# Altium PCB proj_arhipov_control_doard.PcbDoc (part 2 of 2)
Units mm, origin at the board's own origin, x right, y up, seen from the top; angles counter-clockwise.
Board outline 74.9 x 74.9 mm, 4 copper layers (Top Layer, Signal Layer 1, Signal Layer 2, Bottom Layer), stack 1.522 mm thick; 98 components, 69 nets, 372 pads, 821 vias.
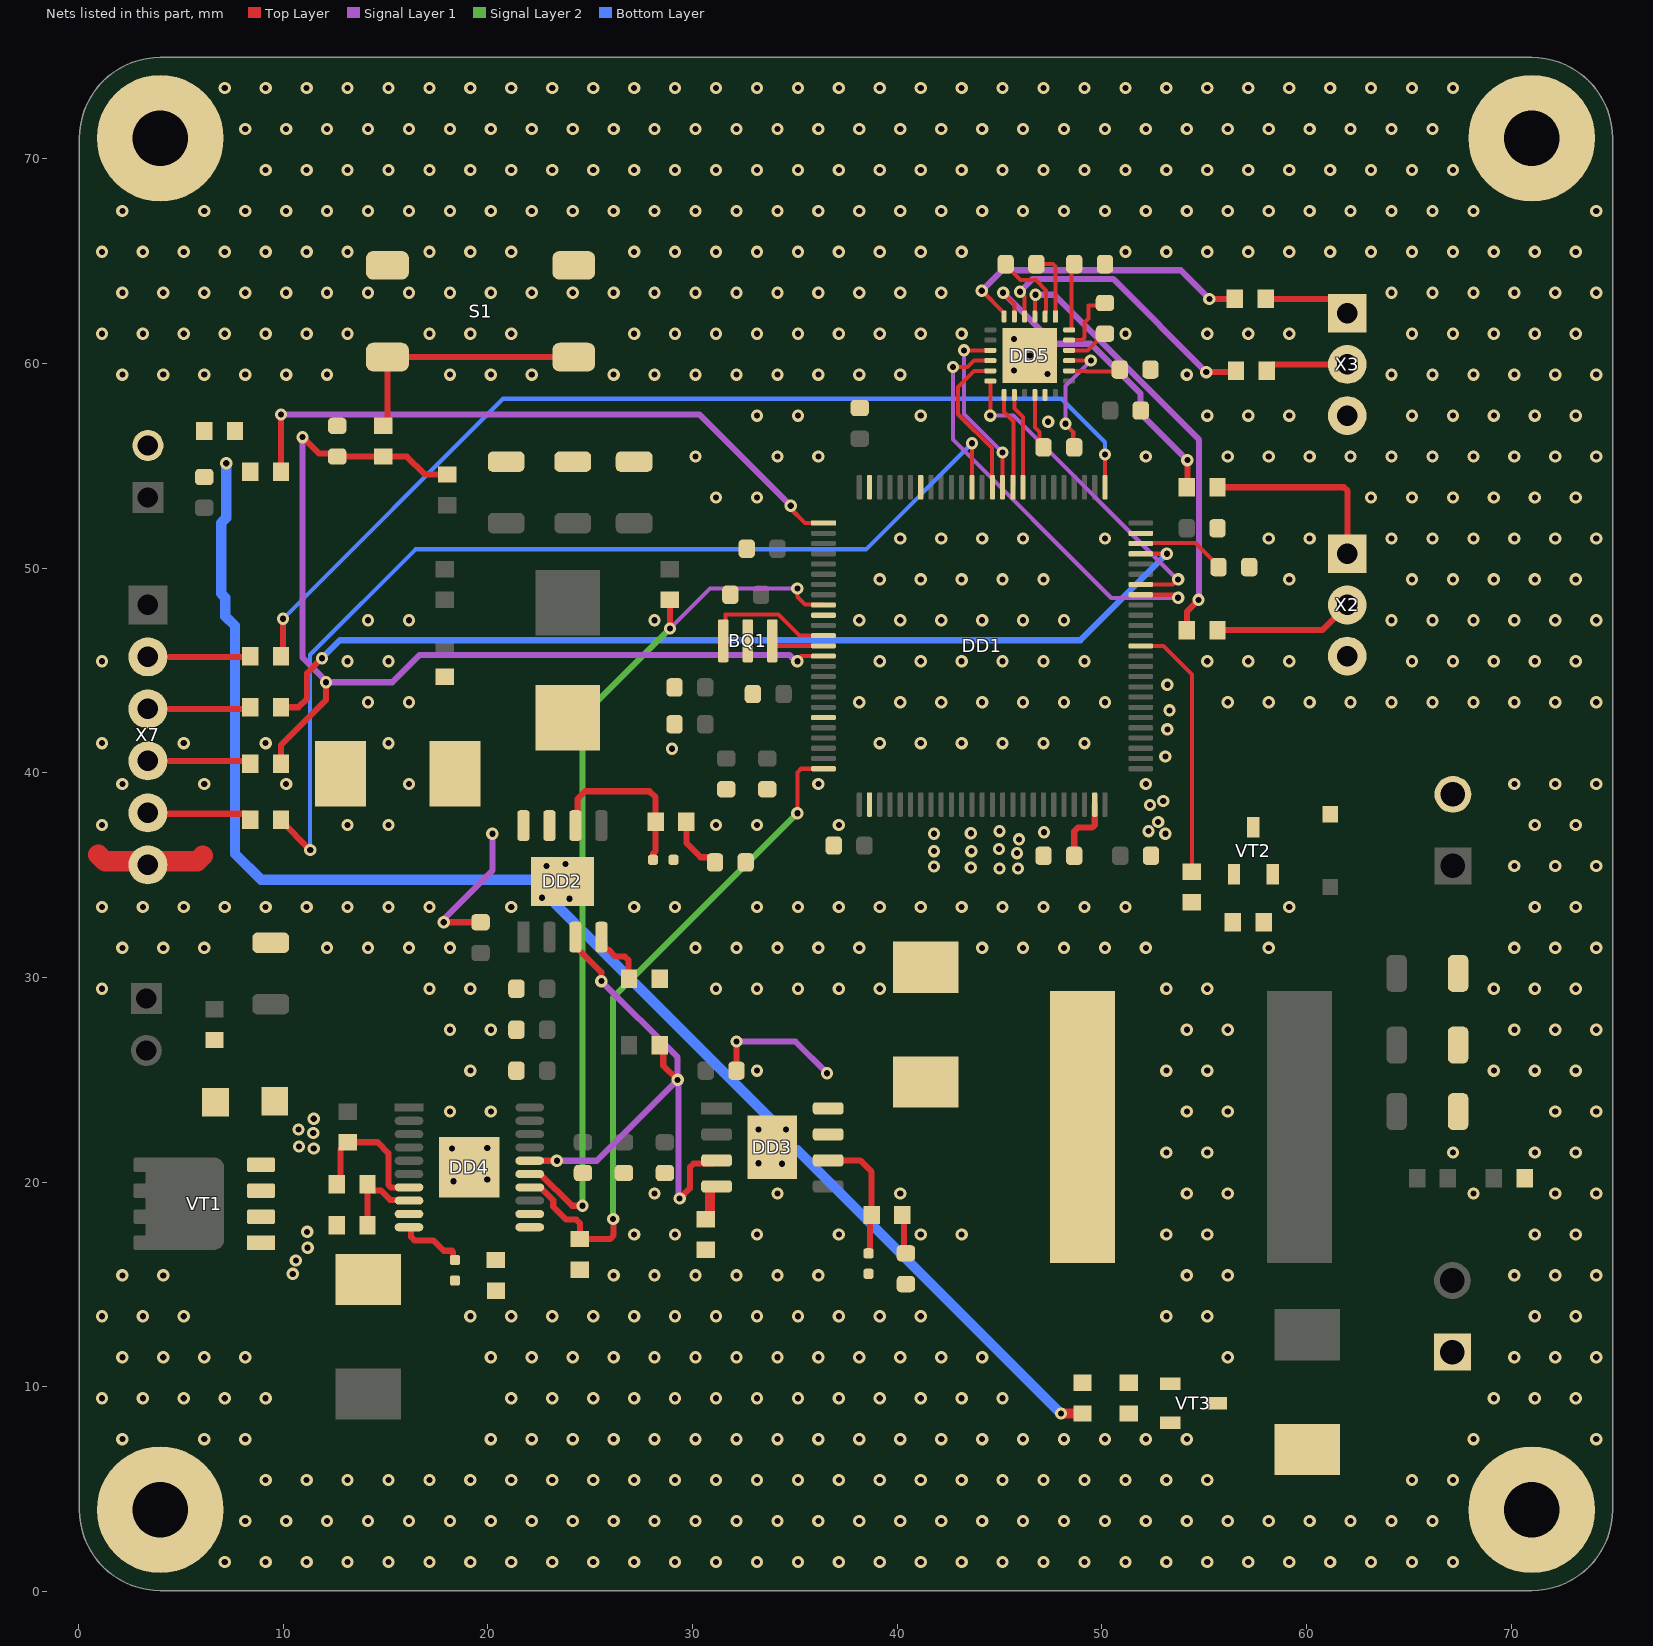
[diagram p4: the nets of this part, all layers, seen from the top]

## Via types
v1: diameter 0.6, hole 0.3, Top Layer to Bottom Layer, tented both sides, 821 vias

## Nets (pads, with @x,y where several pads share a name; then routed paths per layer and width w, separated by ;. In a path a pad name is that pad's centre, name@x,y a point inside that pad or via, vN(x,y) a via of type N, cw(c..) or ccw(c..) an arc to the next point about the centre after c; other vN are vias at no path point) (continued)
GND: BQ1.2 C1.2 C2.2 C3.2 C4.2 C5.2 C6.2 C7.2 C8.2 C9.2 C10.2 C12.2 C13.2 C14.2 C15.2 C16.2 C17.2 C18.2 C19.2 C20.2 C21.2 C22.2 C23.2 C24.2 C25.2 C26.2 C29.2 C30.2 C31.2 C33.2 C34.2 C35.2 C36.2 C41.1 C42.1 C43.1 DD1.10 DD1.20 DD1.27 DD1.74 DD1.94 DD1.99 DD2.0 DD2.7 DD3.0 DD3.7 DD4.0 DD4.9 DD4.12 DD5.0 DD5.17 pad.1 pad.2 pad.3 pad.4 R6.1 R7.1 R12.1 R13.1 R15.1 R17.1 R25.1 R26.1 R31.1 R32.1 S1.2 VD3.2 VD4.2 VT1.1 VT1.2 VT1.3 VT2.2 VT3.2 X2.3 X3.3 X7.6 | length 5.5
  Top Layer w1: 0.975,36 1.303,35.672 3.228,35.672 X7.6@3.4,35.5 3.572,35.672 5.797,35.672 6.075,35.95
  other v1: 7.15,1.45 9.15,1.45 11.15,1.45 13.15,1.45 15.15,1.45 17.15,1.45 19.15,1.45 21.15,1.45 23.15,1.45 25.15,1.45 27.15,1.45 29.15,1.45 31.15,1.45 33.15,1.45 35.15,1.45 37.15,1.45 39.15,1.45 41.15,1.45 43.15,1.45 45.15,1.45 47.15,1.45 49.15,1.45 51.15,1.45 53.15,1.45 55.15,1.45 57.15,1.45 59.15,1.45 61.15,1.45 63.15,1.45 65.15,1.45 67.15,1.45 8.15,3.45 10.15,3.45 12.15,3.45 14.15,3.45 16.15,3.45 18.15,3.45 20.15,3.45 22.15,3.45 24.15,3.45 26.15,3.45 28.15,3.45 30.15,3.45 32.15,3.45 34.15,3.45 36.15,3.45 38.15,3.45 40.15,3.45 42.15,3.45 44.15,3.45 46.15,3.45 48.15,3.45 50.15,3.45 52.15,3.45 54.15,3.45 56.15,3.45 58.15,3.45 60.15,3.45 62.15,3.45 64.15,3.45 66.15,3.45 9.15,5.45 11.15,5.45 13.15,5.45 15.15,5.45 17.15,5.45 19.15,5.45 21.15,5.45 23.15,5.45 25.15,5.45 27.15,5.45 29.15,5.45 31.15,5.45 33.15,5.45 35.15,5.45 37.15,5.45 39.15,5.45 41.15,5.45 43.15,5.45 45.15,5.45 47.15,5.45 49.15,5.45 51.15,5.45 53.15,5.45 55.15,5.45 65.15,5.45 67.15,5.45 2.15,7.45 6.15,7.45 8.15,7.45 20.15,7.45 22.15,7.45 24.15,7.45 26.15,7.45 28.15,7.45 30.15,7.45 32.15,7.45 34.15,7.45 36.15,7.45 38.15,7.45 40.15,7.45 42.15,7.45 44.15,7.45 46.15,7.45 48.15,7.45 50.15,7.45 52.15,7.45 54.15,7.45 68.15,7.45 74.15,7.45 1.15,9.45 3.15,9.45 5.15,9.45 7.15,9.45 9.15,9.45 21.15,9.45 23.15,9.45 25.15,9.45 27.15,9.45 29.15,9.45 31.15,9.45 33.15,9.45 35.15,9.45 37.15,9.45 39.15,9.45 41.15,9.45 43.15,9.45 45.15,9.45 69.15,9.45 71.15,9.45 73.15,9.45 2.15,11.45 4.15,11.45 6.15,11.45 8.15,11.45 20.15,11.45 22.15,11.45 24.15,11.45 26.15,11.45 28.15,11.45 30.15,11.45 32.15,11.45 34.15,11.45 36.15,11.45 38.15,11.45 40.15,11.45 42.15,11.45 44.15,11.45 56.15,11.45 70.15,11.45 72.15,11.45 74.15,11.45 1.15,13.45 3.15,13.45 5.15,13.45 19.15,13.45 21.15,13.45 23.15,13.45 25.15,13.45 27.15,13.45 29.15,13.45 31.15,13.45 33.15,13.45 35.15,13.45 37.15,13.45 39.15,13.45 41.15,13.45 53.15,13.45 55.15,13.45 71.15,13.45 73.15,13.45 2.15,15.45 4.15,15.45 26.15,15.45 28.15,15.45 30.15,15.45 32.15,15.45 34.15,15.45 36.15,15.45 54.15,15.45 56.15,15.45 70.15,15.45 72.15,15.45 74.15,15.45 27.15,17.45 29.15,17.45 33.15,17.45 37.15,17.45 41.15,17.45 43.15,17.45 53.15,17.45 55.15,17.45 71.15,17.45 73.15,17.45 28.15,19.45 34.15,19.45 40.15,19.45 54.15,19.45 56.15,19.45 68.15,19.45 72.15,19.45 74.15,19.45 18.325,20.05 19.975,20.125 34.375,20.9 33.225,20.925 53.15,21.45 55.15,21.45 67.15,21.45 71.15,21.45 73.15,21.45 18.25,21.65 19.975,21.675 33.225,22.575 34.577,22.576 18.15,23.45 20.15,23.45 54.15,23.45 56.15,23.45 72.15,23.45 74.15,23.45 19.15,25.45 33.15,25.45 53.15,25.45 55.15,25.45 69.15,25.45 71.15,25.45 73.15,25.45 18.15,27.45 20.15,27.45 54.15,27.45 56.15,27.45 70.15,27.45 72.15,27.45 74.15,27.45 1.15,29.45 17.15,29.45 19.15,29.45 31.15,29.45 33.15,29.45 35.15,29.45 37.15,29.45 39.15,29.45 53.15,29.45 55.15,29.45 69.15,29.45 71.15,29.45 73.15,29.45 2.15,31.45 4.15,31.45 6.15,31.45 12.15,31.45 14.15,31.45 16.15,31.45 18.15,31.45 30.15,31.45 32.15,31.45 34.15,31.45 36.15,31.45 38.15,31.45 44.15,31.45 46.15,31.45 48.15,31.45 50.15,31.45 52.15,31.45 58.15,31.45 70.15,31.45 72.15,31.45 74.15,31.45 1.15,33.45 3.15,33.45 5.15,33.45 7.15,33.45 9.15,33.45 11.15,33.45 13.15,33.45 15.15,33.45 17.15,33.45 21.15,33.45 27.15,33.45 29.15,33.45 33.15,33.45 35.15,33.45 37.15,33.45 39.15,33.45 41.15,33.45 43.15,33.45 45.15,33.45 47.15,33.45 49.15,33.45 51.15,33.45 59.15,33.45 71.15,33.45 73.15,33.45 24.001,33.852 22.65,33.9 45,35.325 45.9,35.325 43.6,35.375 41.8,35.425 22.875,35.45 70.15,35.45 72.15,35.45 74.15,35.45 23.8,35.55 45.85,36.075 41.8,36.175 43.625,36.175 44.975,36.275 45.95,36.75 41.8,37.025 53.1,37.025 43.6,37.05 47.175,37.1 45,37.15 52.275,37.15 1.15,37.45 13.15,37.45 15.15,37.45 31.15,37.45 33.15,37.45 37.15,37.45 71.15,37.45 73.15,37.45 52.75,37.6 52.35,38.425 53,38.625 2.15,39.45 6.15,39.45 10.15,39.45 16.15,39.45 36.15,39.45 52.15,39.45 70.15,39.45 72.15,39.45 74.15,39.45 53.1,40.8 29,41.175 1.15,41.45 5.15,41.45 9.15,41.45 15.15,41.45 39.15,41.45 41.15,41.45 43.15,41.45 45.15,41.45 47.15,41.45 49.15,41.45 53.2,42.125 53.3,43.05 14.15,43.45 16.15,43.45 38.15,43.45 40.15,43.45 42.15,43.45 44.15,43.45 46.15,43.45 48.15,43.45 50.15,43.45 56.15,43.45 58.15,43.45 60.15,43.45 62.15,43.45 64.15,43.45 66.15,43.45 68.15,43.45 70.15,43.45 72.15,43.45 74.15,43.45 53.2,44.3 1.15,45.45 13.15,45.45 15.15,45.45 39.15,45.45 41.15,45.45 43.15,45.45 45.15,45.45 47.15,45.45 49.15,45.45 55.15,45.45 57.15,45.45 59.15,45.45 65.15,45.45 67.15,45.45 69.15,45.45 71.15,45.45 73.15,45.45 14.15,47.45 16.15,47.45 28.15,47.45 38.15,47.45 40.15,47.45 42.15,47.45 44.15,47.45 46.15,47.45 48.15,47.45 64.15,47.45 66.15,47.45 68.15,47.45 70.15,47.45 72.15,47.45 74.15,47.45 39.15,49.45 41.15,49.45 43.15,49.45 45.15,49.45 47.15,49.45 59.15,49.45 65.15,49.45 67.15,49.45 69.15,49.45 71.15,49.45 73.15,49.45 40.15,51.45 42.15,51.45 44.15,51.45 46.15,51.45 50.15,51.45 58.15,51.45 60.15,51.45 64.15,51.45 66.15,51.45 68.15,51.45 70.15,51.45 72.15,51.45 74.15,51.45 31.15,53.45 33.15,53.45 63.15,53.45 65.15,53.45 67.15,53.45 69.15,53.45 71.15,53.45 73.15,53.45 30.15,55.45 34.15,55.45 36.15,55.45 52.15,55.45 56.15,55.45 58.15,55.45 60.15,55.45 62.15,55.45 64.15,55.45 66.15,55.45 68.15,55.45 70.15,55.45 72.15,55.45 74.15,55.45 47.375,57.15 33.15,57.45 35.15,57.45 41.15,57.45 55.15,57.45 57.15,57.45 59.15,57.45 65.15,57.45 67.15,57.45 69.15,57.45 71.15,57.45 73.15,57.45 2.15,59.45 4.15,59.45 6.15,59.45 8.15,59.45 10.15,59.45 12.15,59.45 18.15,59.45 20.15,59.45 22.15,59.45 26.15,59.45 28.15,59.45 30.15,59.45 32.15,59.45 34.15,59.45 36.15,59.45 38.15,59.45 40.15,59.45 54.15,59.45 64.15,59.45 66.15,59.45 68.15,59.45 70.15,59.45 72.15,59.45 74.15,59.45 47.35,59.475 45.7,59.65 46.475,60.388 45.7,61.2 1.15,61.45 3.15,61.45 5.15,61.45 7.15,61.45 9.15,61.45 11.15,61.45 13.15,61.45 17.15,61.45 19.15,61.45 21.15,61.45 27.15,61.45 29.15,61.45 31.15,61.45 33.15,61.45 35.15,61.45 37.15,61.45 39.15,61.45 41.15,61.45 43.15,61.45 51.15,61.45 55.15,61.45 57.15,61.45 59.15,61.45 65.15,61.45 67.15,61.45 69.15,61.45 71.15,61.45 73.15,61.45 2.15,63.45 4.15,63.45 6.15,63.45 8.15,63.45 10.15,63.45 12.15,63.45 14.15,63.45 16.15,63.45 18.15,63.45 20.15,63.45 22.15,63.45 24.15,63.45 26.15,63.45 28.15,63.45 30.15,63.45 32.15,63.45 34.15,63.45 36.15,63.45 38.15,63.45 40.15,63.45 42.15,63.45 64.15,63.45 66.15,63.45 68.15,63.45 70.15,63.45 72.15,63.45 74.15,63.45 1.15,65.45 3.15,65.45 5.15,65.45 7.15,65.45 9.15,65.45 11.15,65.45 13.15,65.45 17.15,65.45 19.15,65.45 21.15,65.45 27.15,65.45 29.15,65.45 31.15,65.45 33.15,65.45 35.15,65.45 37.15,65.45 39.15,65.45 41.15,65.45 43.15,65.45 51.15,65.45 53.15,65.45 55.15,65.45 57.15,65.45 59.15,65.45 61.15,65.45 63.15,65.45 65.15,65.45 67.15,65.45 69.15,65.45 71.15,65.45 73.15,65.45 2.15,67.45 6.15,67.45 8.15,67.45 10.15,67.45 12.15,67.45 14.15,67.45 16.15,67.45 18.15,67.45 20.15,67.45 22.15,67.45 24.15,67.45 26.15,67.45 28.15,67.45 30.15,67.45 32.15,67.45 34.15,67.45 36.15,67.45 38.15,67.45 40.15,67.45 42.15,67.45 44.15,67.45 46.15,67.45 48.15,67.45 50.15,67.45 52.15,67.45 54.15,67.45 56.15,67.45 58.15,67.45 60.15,67.45 62.15,67.45 64.15,67.45 66.15,67.45 68.15,67.45 74.15,67.45 9.15,69.45 11.15,69.45 13.15,69.45 15.15,69.45 17.15,69.45 19.15,69.45 21.15,69.45 23.15,69.45 25.15,69.45 27.15,69.45 29.15,69.45 31.15,69.45 33.15,69.45 35.15,69.45 37.15,69.45 39.15,69.45 41.15,69.45 43.15,69.45 45.15,69.45 47.15,69.45 49.15,69.45 51.15,69.45 53.15,69.45 55.15,69.45 57.15,69.45 59.15,69.45 61.15,69.45 63.15,69.45 65.15,69.45 67.15,69.45 8.15,71.45 10.15,71.45 12.15,71.45 14.15,71.45 16.15,71.45 18.15,71.45 20.15,71.45 22.15,71.45 24.15,71.45 26.15,71.45 28.15,71.45 30.15,71.45 32.15,71.45 34.15,71.45 36.15,71.45 38.15,71.45 40.15,71.45 42.15,71.45 44.15,71.45 46.15,71.45 48.15,71.45 50.15,71.45 52.15,71.45 54.15,71.45 56.15,71.45 58.15,71.45 60.15,71.45 62.15,71.45 64.15,71.45 66.15,71.45 7.15,73.45 9.15,73.45 11.15,73.45 13.15,73.45 15.15,73.45 17.15,73.45 19.15,73.45 21.15,73.45 23.15,73.45 25.15,73.45 27.15,73.45 29.15,73.45 31.15,73.45 33.15,73.45 35.15,73.45 37.15,73.45 39.15,73.45 41.15,73.45 43.15,73.45 45.15,73.45 47.15,73.45 49.15,73.45 51.15,73.45 53.15,73.45 55.15,73.45 57.15,73.45 59.15,73.45 61.15,73.45 63.15,73.45 65.15,73.45 67.15,73.45
MCU_F\O\R\C\E\O\F\F\: DD1.84 DD5.14 | length 4.7
  Top Layer w0.2: DD5.14@45.725,58.463 45.725,57.8 46.15,57.375 DD1.84@46.15,53.95
MCU_FLT_EFUSE: DD1.9 DD4.15 R30.1 | length 43.5
  Top Layer w0.2: v1(35.125,49) 35.125,48.6 35.5,48.225 36.375,48.225 DD1.9@36.4,48.2
  Top Layer w0.3: DD4.15@22.05,20.4 22.572,20.4 24.122,18.85 v1(24.625,18.85) ; v1(28.9,47.05) R30.1@28.9,48.45
  Signal Layer 1 w0.2: v1(28.9,47.05) 30.85,49 v1(35.125,49)
  Signal Layer 2 w0.3: v1(24.625,18.85) 24.625,42.775 v1(28.9,47.05)
MCU_I\N\V\A\L\I\D\: DD1.85 DD5.13 | length 4.7
  Top Layer w0.2: DD5.13@45.225,58.463 45.225,57.625 45.675,57.175 45.675,53.975 DD1.85@45.65,53.95
MCU_IMON_EFUSE: DD1.25 DD4.14 R31.2 | length 33.6
  Top Layer w0.2: v1(35.125,38.025) 35.125,40.024 35.301,40.2 DD1.25@36.4,40.2
  Top Layer w0.3: DD4.14@22.05,19.75 22.572,19.75 23.2,19.122 23.2,18.8 23.825,18.175 24.324,18.175 24.5,17.999 R31.2@24.5,17.225 25.974,17.225 26.15,17.401 26.15,18.175 v1(26.125,18.2)
  Signal Layer 2 w0.3: v1(26.125,18.2) 26.125,29.025 v1(35.125,38.025)
MCU_LOCK: DD1.63 R23.1 | length 12.7
  Top Layer w0.2: DD1.63@51.9,46.2 53,46.2 54.4,44.8 R23.1@54.4,35.175
MCU_RX_IN_1: DD1.69 DD5.12 | length 16.1
  Top Layer w0.2: v1(44.55,57.45) DD5.12@44.55,59.138 ; DD1.69@51.9,49.2 53.475,49.2 v1(53.725,49.45)
  Signal Layer 1 w0.2: v1(44.55,57.45) 45.683,57.45 53.683,49.45 v1(53.725,49.45)
MCU_RX_IN_2: DD1.87 DD5.11 | length 7.5
  Top Layer w0.2: DD5.11@44.55,59.638 43.763,59.638 42.975,58.85 42.975,57.517 44.625,55.867 44.625,53.975 DD1.87@44.65,53.95
MCU_SENSOR: DD1.1 R22.1 | length 31.6
  Top Layer w0.2: v1(34.8,53.05) 34.8,52.9 35.5,52.2 DD1.1@36.4,52.2
  Top Layer w0.3: R22.1@9.9,54.7 v1(9.9,57.5)
  Signal Layer 1 w0.3: v1(9.9,57.5) 30.35,57.5 v1(34.8,53.05)
MCU_SWCLK: DD1.76 R4.1 | length 49.6
  Top Layer w0.2: DD1.76@50.15,53.95 v1(50.15,55.55) v1@50.175,55.575
  Top Layer w0.3: R4.1@9.9,45.7 10,45.8 v1(10,47.525)
  Bottom Layer w0.2: v1(10,47.525) 20.75,58.275 48.025,58.275 50.15,56.15 v1(50.15,55.55)
MCU_SWDIO: DD1.72 R5.1 | length 48.4
  Top Layer w0.2: DD1.72@51.9,50.7 v1(53.175,50.7)
  Top Layer w0.3: R5.1@9.9,43.2 10.75,43.2 11.175,43.625 11.175,44.875 v1(11.9,45.6)
  Bottom Layer w0.3: v1(11.9,45.6) 12.775,46.475 48.95,46.475 v1(53.175,50.7) v1@53.175,50.725
MCU_SWO: DD1.89 R28.1 | length 50.4
  Top Layer w0.2: DD1.89@43.65,53.95 v1(43.65,56.1)
  Top Layer w0.3: R28.1@9.9,37.7 9.9,37.65 v1(11.325,36.225)
  Bottom Layer w0.2: v1(11.325,36.225) 11.325,45.767 16.478,50.92 38.47,50.92 v1(43.65,56.1)
MCU_TX_IN_1: DD1.68 DD5.10 | length 21.6
  Top Layer w0.2: v1(42.725,59.825) 43.434,59.825 43.746,60.138 DD5.10@44.55,60.138 ; DD1.68@51.9,48.7 53.575,48.7 v1(53.725,48.55)
  Signal Layer 1 w0.2: v1(42.725,59.825) 42.725,56.283 50.458,48.55 v1(53.725,48.55)
MCU_TX_IN_2: DD1.86 DD5.9 | length 8.8
  Top Layer w0.2: v1(43.262,60.638) DD5.9@44.55,60.638 ; DD1.86@45.15,53.95 v1(45.15,55.65)
  Signal Layer 1 w0.2: v1(43.262,60.638) 43.262,57.538 v1(45.15,55.65)
NetBQ1_1: BQ1.1 DD1.12 | length 6.5
  Top Layer w0.2: BQ1.1@31.5,46.45 31.617,46.567 31.617,47.725 34.207,47.725 35.232,46.7 DD1.12@36.4,46.7
NetBQ1_3: BQ1.3 DD1.13 | length 2.7
  Top Layer w0.2: BQ1.3@33.9,46.45 33.9,46.35 34.05,46.2 DD1.13@36.4,46.2
NetC13_1: C13.1 DD1.73 | length 4.3
  Top Layer w0.2: DD1.73@51.9,51.2 51.925,51.225 54.575,51.225 55.7,50.1 C13.1@55.7,50.05
NetC14_1: C14.1 DD1.49 | length 3.3
  Top Layer w0.3: C14.1@48.65,35.95 48.65,37.149 48.826,37.325 49.524,37.325 49.65,37.451 DD1.49@49.65,38.45
NetC22_1: C22.1 DD2.6 R8.2 | length 8.5
  Top Layer w0.3: DD2.6@24.285,37.425 24.385,37.525 24.385,38.725 24.76,39.1 27.9,39.1 28.2,38.8 R8.2@28.2,37.6 28.2,36.175 28.075,36.05 C22.1@28.075,35.75
NetC23_1: C23.1 DD3.6 R9.2 | length 6.4
  Top Layer w0.3: DD3.6@36.625,21.065 38.185,21.065 38.75,20.5 R9.2@38.75,18.4 38.675,18.325 38.675,16.6 C23.1@38.6,16.525
NetC25_1: C25.1 R8.1 | length 2.8
  Top Layer w0.3: R8.1@29.7,37.6 29.7,36.575 30.4,35.875 30.854,35.875 31.1,35.629 C25.1@31.1,35.625
NetC26_1: C26.1 R9.1 | length 1.9
  Top Layer w0.3: R9.1@40.25,18.4 40.337,18.313 40.337,16.612 C26.1@40.425,16.525
NetC29_1: C29.1 DD4.10 | length 3.3
  Top Layer w0.3: DD4.10@16.15,17.8 16.204,17.8 16.25,17.754 16.25,17.326 16.426,17.15 17.35,17.15 17.85,16.65 18.25,16.65 18.3,16.6 18.3,16.3 C29.1@18.4,16.2
NetC32_1: C32.1 R22.2 R24.1 R32.2 X6.2 | length 73
  Top Layer w0.5: v1(48,8.7) R24.1@49.055,8.7
  Bottom Layer w0.5: v1(7.225,55.125) 7.225,52.459 6.975,52.209 6.975,48.755 7.175,48.555 7.175,47.655 7.65,47.18 7.65,36.05 8.925,34.775 22.73,34.775 23.326,34.178 23.326,33.572 33.9,22.998 33.9,22.298 34.623,21.575 35.125,21.575 v1(48,8.7)
NetC38_1: C38.1 DD5.2 | length 3.8
  Top Layer w0.2: C38.1@45.3,64.85 45.3,64.8 46.034,64.066 46.782,64.066 47.277,63.57 47.277,62.51 47.225,62.458 DD5.2@47.225,62.288
NetC38_2: C38.2 DD5.1 | length 3.4
  Top Layer w0.2: C38.2@46.8,64.85 47.608,64.85 47.725,64.733 DD5.1@47.725,62.288
NetC39_1: C39.1 DD5.23 | length 3.3
  Top Layer w0.2: DD5.23@48.4,61.138 49.033,61.138 49.15,61.255 49.15,62 49.35,62.2 49.35,62.833 49.983,62.833 C39.1@50.1,62.95
NetC39_2: C39.2 DD5.22 | length 2.1
  Top Layer w0.2: DD5.22@48.4,60.638 49.288,60.638 50.1,61.45 C39.2@50.15,61.45
NetC40_1: C40.1 DD5.21 | length 6
  Top Layer w0.2: v1@48.2,57.05 48.6,56.65 48.6,55.95 C40.1@48.65,55.9 ; DD5.21@48.4,60.138 v1(49.463,60.138)
  Signal Layer 1 w0.2: v1(48.225,57.05) 48.225,58.9 v1(49.463,60.138)
NetC40_2: C40.2 DD5.16 | length 2.7
  Top Layer w0.2: DD5.16@46.725,58.463 46.725,56.875 46.95,56.65 46.95,56.1 C40.2@47.15,55.9
NetC41_2: C41.2 DD5.24 | length 3.4
  Top Layer w0.2: DD5.24@48.4,61.638 48.505,61.638 48.525,61.658 48.525,64.725 C41.2@48.65,64.85
NetC42_2: C42.2 DD5.20 | length 2.5
  Top Layer w0.2: DD5.20@48.4,59.638 49.22,59.638 49.245,59.613 50.788,59.613 C42.2@50.875,59.7
NetDD2_4: DD2.4 R6.2 | length 3.2
  Top Layer w0.3: DD2.4@25.555,31.975 25.555,31.575 DD2.4@25.705,31.425 ; DD2.4@25.705,31.7 25.705,31.55 DD2.4@25.705,31.425 ; R6.2@26.9,29.95 26.876,29.974 26.876,30.849 26.7,31.025 26.23,31.025 25.88,31.375 25.705,31.375 DD2.4@25.705,31.425
NetDD3_4: DD3.4 R7.2 | length 2
  Top Layer w0.5: R7.2@30.65,18.2 30.7,18.2 30.85,18.35 30.85,19.745 30.9,19.795 DD3.4@31.175,19.795
NetDD4_7: DD4.7 R10.1 R11.2 | length 7.1
  Top Layer w0.3: R11.2@12.625,19.9 12.8,20.075 12.8,21.6 R10.1@13.15,21.95 14.625,21.95 15.15,21.425 15.15,19.867 15.267,19.75 DD4.7@16.15,19.75
NetDD4_8: DD4.8 R11.1 R12.2 | length 4.4
  Top Layer w0.3: R12.2@14.125,17.9 R11.1@14.125,19.85 ; R11.1@14.125,19.95 R11.1@14.125,19.9 R11.1@14.125,19.85 ; DD4.8@16.15,19.1 16.112,19.138 15.237,19.138 14.775,19.6 14.375,19.6 R11.1@14.125,19.85
NetDD4_11: DD4.11 R13.2
NetR1_1: R1.1 VD1.1 VT1.4
NetR3_2: R3.2 S1.1 | length 12.5
  Top Layer w0.3: R3.2@14.9,56.95 15.1,57.15 S1.1@15.1,60.31 S1.1@24.2,60.31
NetR4_2: R4.2 X7.2 | length 5
  Top Layer w0.3: X7.2@3.4,45.66 8.36,45.66 R4.2@8.4,45.7
NetR5_2: R5.2 X7.3 | length 5
  Top Layer w0.3: X7.3@3.4,43.12 8.32,43.12 R5.2@8.4,43.2
NetR18_2: R18.2 X2.1 | length 9.5
  Top Layer w0.3: R18.2@55.65,53.95 61.824,53.95 62,53.774 62,50.713 X2.1@61.986,50.7
NetR19_2: R19.2 X2.2 | length 6.8
  Top Layer w0.3: R19.2@55.65,46.975 60.762,46.975 X2.2@61.986,48.2
NetR20_2: R20.2 X3.1 | length 4.3
  Top Layer w0.3: R20.2@58,63.15 61.286,63.15 X3.1@61.986,62.45
NetR21_2: R21.2 X3.2 | length 4.1
  Top Layer w0.3: R21.2@58.05,59.65 58.05,59.7 58.3,59.95 X3.2@61.986,59.95
NetR23_2: R23.2 R25.2 VT2.1
NetR24_2: R24.2 R26.2 VT3.1
NetR27_2: R27.2 X7.4 | length 5.1
  Top Layer w0.3: X7.4@3.4,40.58 8.27,40.58 R27.2@8.4,40.45
NetR28_2: R28.2 X7.5 | length 5.2
  Top Layer w0.3: X7.5@3.4,38.04 3.44,38 8.15,38 8.4,37.75 R28.2@8.4,37.7
NetVD1_2: VD1.2 VD2.2
  other v1: 10.475,15.525 10.625,16.175 11.2,16.8 11.175,17.575 11.5,21.65 10.775,21.75 11.475,22.4 10.75,22.575 11.5,23.1
NetVD10_2: VD10.2 VT2.3 X4.2
NetVD11_2: VD11.2 VT3.3 X5.1
NRST: C15.1 DD1.14 R2.1 R3.1 R27.1 | length 50.3
  Top Layer w0.2: v1(35.125,45.45) 35.3,45.625 35.3,45.7 DD1.14@36.4,45.7
  Top Layer w0.3: R27.1@9.9,40.45 9.9,41.363 12.1,43.563 v1(12.101,44.427) ; v1(10.95,56.4) 11.75,55.6 12.5,55.6 C15.1@12.65,55.45 R3.1@14.9,55.45 16.05,55.45 16.925,54.575 R2.1@18.025,54.575
  Signal Layer 1 w0.3: v1(10.95,56.4) 10.95,45.625 12.101,44.474 v1(12.101,44.427) 15.336,44.427 16.659,45.75 34.744,45.75 35.044,45.45 v1(35.125,45.45)
PGOOD: DD2.3 DD3.3 DD4.16 R29.1 | length 28.9
  Top Layer w0.3: DD4.16@22.05,21.05 v1(23.375,21.05) ; DD2.3@24.285,31.975 24.285,31.525 25.55,30.26 v1@25.55,29.875 ; R29.1@28.4,26.7 28.575,26.525 28.575,25.7 v1(29.275,25) ; v1(29.375,19.2) 29.875,19.7 29.875,20.739 30.051,20.915 31.025,20.915 DD3.3@31.175,21.065
  Signal Layer 1 w0.3: v1(23.375,21.05) 25.325,21.05 v1(29.275,25) ; v1(25.55,29.825) 29.275,26.1 v1(29.275,25) ; v1(29.375,19.2) 29.325,19.25 29.325,24.95 v1(29.275,25)
RX_OUT_1: DD5.3 R19.1 | length 21.5
  Top Layer w0.2: DD5.3@46.725,62.288 46.739,62.302 46.739,63.339 v1(46.752,63.353)
  Top Layer w0.3: R19.1@54.15,46.975 54.15,47.875 v1(54.725,48.45)
  Signal Layer 1 w0.3: v1(46.752,63.353) 47.662,63.353 54.75,56.265 54.75,48.475 v1(54.725,48.45)
RX_OUT_2: DD5.4 R21.1 | length 14
  Top Layer w0.2: v1(46,63.5) 46.225,63.275 DD5.4@46.225,62.288
  Top Layer w0.3: v1(55.1,59.575) 56.475,59.575 R21.1@56.55,59.65
  Signal Layer 1 w0.3: v1(46,63.5) 46.625,64.125 50.55,64.125 v1(55.1,59.575)
SW_2: C27.1 DD2.8 L1.1 VD3.1 | length 7
  Top Layer w0.3: v1(17.85,32.7) C27.1@19.65,32.7
  Signal Layer 1 w0.3: v1@17.825,32.825 17.894,32.825 17.907,32.839 17.907,32.907 20.225,35.225 v1(20.225,37.025)
SW_3: C28.1 DD3.8 L2.1 VD4.1 | length 6.5
  Top Layer w0.3: C28.1@32.15,25.45 v1(32.15,26.875)
  Signal Layer 1 w0.3: v1(32.15,26.875) 35.025,26.875 v1(36.575,25.325)
TX_OUT_1: DD5.5 R18.1 | length 15.7
  Top Layer w0.2: v1(45.175,63.45) 45.725,62.9 DD5.5@45.725,62.288
  Top Layer w0.3: R18.1@54.15,53.95 54.175,53.975 v1(54.175,55.275)
  Signal Layer 1 w0.3: v1(45.175,63.45) 47.666,60.959 49.455,60.959 51.879,58.535 51.879,57.571 v1(54.175,55.275)
TX_OUT_2: DD5.6 R20.1 | length 15.1
  Top Layer w0.2: v1(44.133,63.55) 45.225,62.458 DD5.6@45.225,62.288
  Top Layer w0.3: v1(55.25,63.15) R20.1@56.5,63.15
  Signal Layer 1 w0.3: v1(44.133,63.55) 45.133,64.55 53.85,64.55 v1(55.25,63.15)
pads on no net: DD1.2 DD1.3 DD1.4 DD1.5 DD1.7 DD1.8 DD1.15 DD1.16 DD1.17 DD1.18 DD1.23 DD1.24 DD1.26 DD1.29 DD1.30 DD1.31 DD1.32 DD1.33 DD1.34 DD1.35 DD1.36 DD1.37 DD1.38 DD1.39 DD1.40 DD1.41 DD1.42 DD1.43 DD1.44 DD1.45 DD1.46 DD1.47 DD1.48 DD1.51 DD1.52 DD1.53 DD1.54 DD1.55 DD1.56 DD1.57 DD1.58 DD1.59 DD1.60 DD1.61 DD1.62 DD1.64 DD1.65 DD1.66 DD1.67 DD1.70 DD1.71 DD1.77 DD1.78 DD1.79 DD1.80 DD1.81 DD1.82 DD1.83 DD1.88 DD1.90 DD1.91 DD1.92 DD1.93 DD1.95 DD1.96 DD1.97 DD1.98 DD4.4 DD4.5 DD4.13 DD4.17 DD5.7 DD5.8 DD5.15

## Polygon pours and split planes (outlines as drawn)
GND on Top Layer "GND_L01_P139" (solid, pour order 139): 0.293,34.833 53.543,34.833 53.543,41.608 53.893,41.958 75.418,41.958 75.468,42.008 75.468,74.558 74.893,75.133 0.143,75.133
+3,3V on Top Layer "+3,3V_L01_P137" (solid, pour order 137): 50.425,39.175 49.9,39.175 49.9,37.35 49.4,36.85 49.4,34.875 49.45,34.825 51.675,34.825 51.7,34.85 51.7,39.15
+3,3V on Top Layer "+3,3V_L01_P129" (solid, pour order 129): 37.125,41.925 37.1,41.95 35.75,41.95 35.3,41.8 31.572,41.647 30.45,40.675 29.8,40.45 29.7,40.35 29.7,39.775 34.425,39.775 35.675,41.025 35.675,41.4 35.7,41.4 35.8,41.5 37.125,41.5
+3,3V on Top Layer "+3,3V_L01_P127" (solid, pour order 127): 30.686,45.725 29.736,45.725 29.736,40.725 30.332,40.725 31.58,41.973 37.036,41.973 37.136,42.073 37.136,42.35 35.461,42.35 35.35,42.35 32.111,42.398 31.975,42.534 31.975,44.925 31.3,44.925 30.686,45.539
+3,3V on Top Layer "+3,3V_L01_P125" (solid, pour order 125): 32.525,49.9 32.525,48.025 32.6,47.95 32.675,48.025 34.4,48.025 35.225,47.2 35.525,46.975 37.1,46.975 37.1,47.45 37.125,47.475 35.625,47.475 35.625,47.675 34.675,48.625 34.675,49.875
+3,3V on Top Layer "+3,3V_L01_P123" (solid, pour order 123): 33.35,52.5 33.35,50.1 34.775,50.1 35.375,49.5 37.175,49.5 37.2,49.475 37.2,49.95 37.175,49.975 35.525,49.975 35.325,50.175 35.325,51.825 34.625,52.525 34.45,52.525
+3,3V on Top Layer "+3,3V_L01_P117" (solid, pour order 117): 33.674,45.05 35.475,45.05 35.475,43.8 35.825,43.45 37.225,43.45 37.225,43.05 37.15,43.05 37.025,43.05 33.75,43.05 33.7,43.1
+3,3V on Top Layer "+3,3V_L01_P111" (solid, pour order 111): 39.4,39.2 38.9,39.2 38.9,37.625 38.875,37.6 37.75,37.6 37.75,34.85 39.9,34.85 39.9,37.375 39.425,37.85 39.4,37.85
+3,3V on Top Layer "Top Layer-+3,3V" (solid, pour order 105): 51.158,53.2 52.6,53.2 54.7,53.2 54.7,51.475 53.325,51.475 53.1,51.7 53.037,51.762 52.6,51.9 52.525,51.975 51.158,51.975
+3,3V on Top Layer "Top Layer-+3,3V 2" (solid, pour order 99): 39.875,57.075 39.875,55.3 39.5,55.3 39.025,54.825 38.4,54.825 38.4,53.175 38.35,53.125 38.325,53.15 37.75,53.15 37.6,53.3 37.6,54.725 36.675,55.65 36.675,57.075
GND on Top Layer "GND_L01_P151" (solid, pour order 151): 0,34.25 53.825,34.25 55.05,35.475 55.05,40.95 73.05,40.95 73.075,40.975 74.95,40.975 74.95,0.05 0,0.05 0,7.5
no net on Top Layer "Top Layer-No Net 2" (solid, pour order 64): 22.025,33.975 22.05,34 22.05,33.4 22.075,33.375 25.25,33.375 25.25,33.975
NetVD11_2 on Top Layer "NETVD11_2_L01_P149" (solid, pour order 149): 54.65,9.85 56.35,9.85 56.625,9.575 56.625,9.175 56.95,8.85 62.425,8.85 62.425,5.225 61.725,4.525 56.75,4.525 56.75,5.925 54.625,8.05
NetVD11_2 on Top Layer "NETVD11_2_L01_P145" (solid, pour order 145): 58.025,8.6 62.4,8.6 65.55,11.75 65.55,12.75 65.937,13.137 68.875,13.137 68.875,10.3 63.525,4.95 57.975,4.95
+12V on Top Layer "+12V_L01_P141" (solid, pour order 141): 57,9.4 57.025,9.375 62.325,9.375 62.325,10.3 65.475,13.45 68.825,13.45 68.825,17.475 67.9,18.4 66.275,18.4 66.275,30.975 69.2,33.9 69.2,37.025 65.1,37.025 63.5,35.425 59.75,35.425 59.75,32.05 57.25,29.55 57.15,29.55
no net on Top Layer "Top Layer-No Net 3" (solid, pour order 115): 33.7,44.6
+3,3V on Top Layer "Top Layer-+3,3V 1" (solid, pour order 103): 47.55,58.875 47.95,58.875 47.95,59.425 49.25,59.425 49.925,58.75 50.575,58.75 51.325,58 51.325,56.15 49.9,56.15 48.45,57.6 47.55,57.6
no net on Top Layer "Top Layer-No Net 4" (solid, pour order 95): 33.4,51.7
+3,3V on Top Layer "+3,3V_L01_P030" (solid, pour order 30): 26.3,46.05 26.5,46.25 26.5,48.825 27.575,48.825 27.95,49.2 30.625,49.2 30.625,53.35 29.65,53.85 29.125,53.85 11.35,53.85 10.763,53.612 10.7,53.55 5.3,53.85 5.125,53.95 4.275,54.8 1.525,54.8 1.35,54.625 1.35,46.8 7.35,46.8 9.75,49.2 19.05,49.2 20.05,48.2 20.05,46.1
no net on Top Layer "Top Layer-No Net" (solid, pour order 78): -2.875,17.6
no net on Top Layer "Top Layer-No Net 5" (solid, pour order 56): 0.025,33.325
no net on Top Layer "Top Layer-No Net 6" (solid, pour order 54): -0.025,33.25
+3,3V on Top Layer "+3,3V_L01_P038" (solid, pour order 38): 47.5,58.85 47.575,58.775 47.575,58 49.125,58 49.7,57.425 49.7,57.225 51.225,57.225 51.225,58.5 50.975,58.75 49.325,58.75 49.325,59.375 48.05,59.375 48.05,59.075 47.85,58.875
NetR23_2 on Top Layer "NETR23_2_L01_P042" (solid, pour order 42): 53.05,34.275 55.075,34.275 55.6,34.8 55.6,35.675 55.7,35.775 57.3,35.775 57.3,33.95 57,33.65 57,31.65 53.125,31.65 53.05,31.725
NetVD10_2 on Top Layer "NETVD10_2_L01_P040" (solid, pour order 40): 60.95,36.875 61.35,37.275 63.475,37.275 64.05,37.85 64.075,37.825 68.975,37.825 68.975,40.825 69,40.85 68.95,40.9 55.2,40.9 55.2,36.2 55.275,36.125 55.35,36.2 59.725,36.2
NetC32_1 on Top Layer "NETC32_1_L01_P036" (solid, pour order 36): 1.25,58.125 1.25,55.175 4.375,55.175 5.5,54.05 9,54.05 9,55.45 8.7,55.75 6.9,55.75 6.9,57.975 6.85,58.025
SW_3 on Top Layer "SW_3_L01_P020" (solid, pour order 20): 35.65,24.6 35.65,22.85 37.825,22.85 37.825,22.125 39.15,20.8 41,20.8 44.225,17.575 44.225,13.3 44.25,13.275 51.925,13.275 51.95,13.25 51.95,30.525 46.375,30.525 43.55,27.7 35.675,27.7 35.625,27.75
NetR24_2 on Top Layer "NETR24_2_L01_P034" (solid, pour order 34): 54.18,11.475 54.18,9.2 52.855,9.2 52.605,9.45 47.205,9.45 47.13,9.525 47.13,12.55 47.155,12.575 52.78,12.575 52.805,12.6
SW_2 on Top Layer "SW_2_L01_P026" (solid, pour order 26): 22.5,36.15 16.75,36.15 16.75,43.225 17.025,43.5 19.475,43.5 19.475,43.55 21.275,45.35 27.975,45.35 27.975,40.675 26.875,39.575 23.475,39.575 22.5,38.6
+24V on Top Layer "+24V_L01_P018" (solid, pour order 18): 20.975,22 23.375,22 23.4,22.025 24.1,21.325 29.725,21.325 29.925,21.525 32.1,21.525 32.1,22.975 32.05,23.025 30.025,23.025 27.625,25.425 27.65,25.45 27.65,28.325 26.475,28.325 24.775,29.825 24.725,29.95 23.675,31 23.675,32.675 22.075,32.675 22.075,24.875 21.6,24.4 20.975,24.4
NetDD4_11 on Top Layer "NETDD4_11_L01_P016" (solid, pour order 16): 20.89,18.075 23.125,18.075 23.125,15.475 23.1,15.45 23.075,15.475 19.525,15.475 19.525,16.975 19.525,17.1 19.6,17.25 20.188,17.637
no net on Top Layer "Top Layer-No Net 1" (solid, pour order 14): 12.175,22.15
NetVD1_2 on Top Layer "NETVD1_2_L01_P010" (solid, pour order 10): 8.5,25.525 8.475,25.5 8.475,22.55 9.625,22.55 10.325,21.85 10.325,21.575 10.7,21.2 11.9,21.2 11.9,23.25 10.725,24.425 10.725,25.475 10.65,25.55
NetVD1_2 on Top Layer "NETVD1_2_L01_P008" (solid, pour order 8): 10.462,16.587 9.47,15.595 11.474,14.451 12.625,13.3 16.725,13.3 16.725,16.9 16.7,16.925 16.625,16.85 11.725,16.85 11.725,18.075 10.555,18.075
0V_IN on Top Layer "0V_IN_L01_P006" (solid, pour order 6): 4.85,27.15 4.625,27.375 -0.025,27.375 -0.025,16 0.05,16.075 5.175,16.075 5.175,15.225 9.85,10.55 9.85,7.525 18.75,7.525 18.75,12.25 13.113,12.25 7.875,16.475 7.875,18.275 7.875,19.57 6.906,21.701 5.425,21.925
NetR1_1 on Top Layer "Top Layer-NetR1_1" (solid, pour order 4): 8.006,20.14 8.05,20.125 10.15,20.125 10.15,21.275 9.15,22.275 8.275,22.275 7.7,22.85 7.7,27.375 5.7,27.375 5.6,27.475 5.685,22.525 5.685,22.46 5.8,22.25 6.7,22.25 7.175,21.775
24V_IN on Top Layer "24V_IN_L01_P000" (solid, pour order 0): 1.725,30.625 1.725,27.65 7.975,27.65 9.95,25.675 11.025,25.675 11.025,24.425 12.85,22.6 14.675,22.6 15.225,22.05 17,22.05 17.375,22.425 17.375,26.975 13.7,30.65
GND on Signal Layer 1 "GND_L02_P087" (solid, pour order 87): 0,34.25 53.825,34.25 55.05,35.475 55.05,40.95 73.05,40.95 73.075,40.975 74.95,40.975 74.95,0.05 0,0.05 0,7.5
GND on Signal Layer 1 "Signal Layer 1-GND" (solid, pour order 81): -0.1,35.2 53.15,35.2 53.15,41.875 53.5,42.225 75.025,42.225 75.075,42.275 75.075,74.825 74.5,75.4 -0.25,75.4
NetVD1_2 on Signal Layer 1 "NETVD1_2_L02_P012" (solid, pour order 12): 7.975,23.975 7.925,23.925 7.925,15 16.075,15 16.125,14.95 16.125,23.85
+12V on Signal Layer 2 "+12V_L03_P089" (solid, pour order 89): 0,34.25 53.825,34.25 55.05,35.475 55.05,40.95 73.05,40.95 73.075,40.975 74.95,40.975 74.95,0.05 0,0.05 0,7.5
+3,3V on Signal Layer 2 "+3,3V_L03_P083" (solid, pour order 83): -0.1,35.2 53.15,35.2 53.15,41.875 53.5,42.225 75.025,42.225 75.075,42.275 75.075,74.825 74.5,75.4 -0.25,75.4
GND on Bottom Layer "Bottom Layer-GND" (solid, pour order 85): -0.1,35.2 53.15,35.2 53.15,41.875 53.5,42.225 75.025,42.225 75.075,42.275 75.075,74.825 74.5,75.4 -0.25,75.4
GND on Bottom Layer "GND_L04_P091" (solid, pour order 91): 0,34.25 53.825,34.25 55.05,35.475 55.05,40.95 73.05,40.95 73.075,40.975 74.95,40.975 74.95,0.05 0,0.05 0,7.5

## Silkscreen, mask and mechanical layers (free items; w line width, h text height)
Top Overlay:
  lines w0.254: 0.325,27.715 1.575,27.715 ; 0.325,54.75 1.575,54.75 ; 0.35,36.59 1.6,36.59 ; 0.35,39.04 1.6,39.04 ; 0.35,42.225 0.35,34.225 1.6,34.225 1.6,42.225 ; 0.35,44.54 1.6,44.54 ; 0.35,47.29 1.6,47.29 ; 11.15,28.05 14.25,28.05 ; 11.15,30.15 14.25,30.15 ; 11.15,31.75 11.15,25.85 14.35,25.85 14.35,32.15 ; 11.15,31.85 11.15,31.35 11.15,32.25 14.35,32.25 14.35,31.55 ; 71.45,37.16 72.7,37.16 ; 71.45,46.25 72.7,46.25 ; 71.45,49.65 72.7,49.65 ; 71.45,58.75 72.7,58.75 ; 71.45,61.425 72.7,61.425 ; 71.475,13.51 72.725,13.51 ; 0.325,25.175 1.575,25.175 1.575,30.1 0.325,30.1 0.325,25.175 ; 0.325,52.185 0.325,57.25 1.575,57.25 1.575,52.185 0.325,52.185 ; 0.35,41.525 0.35,49.475 1.6,49.475 1.6,41.525 0.35,41.525 ; 71.45,33.125 71.45,41.25 72.7,41.25 72.7,33.125 71.45,33.125 ; 71.45,43.175 72.7,43.175 72.7,53.125 71.45,53.125 71.45,43.175 ; 71.45,55.85 71.45,63.825 72.7,63.825 72.7,55.85 71.45,55.85 ; 71.475,10.8 72.725,10.8 72.725,16.65 71.475,16.65 71.475,10.8
  text "TX" at 72.425,62.275 h1 r90
  text "RX" at 72.4,59.625 h1 r90
  text "SENS" at 0.65,56.95 h1 r270
  text "GND" at 72.375,56.55 h1 r90
  text "3.3V" at 0.65,54.25 h1 r270
  text "TX" at 72.45,50.975 h1 r90
  text "3.3V" at 0.625,49.125 h1 r270
  text "RX" at 72.45,47.45 h1 r90
  text "SWLK" at 0.625,46.925 h1 r270
  text "SWDIO" at 0.625,44.225 h1 r270
  text "GND" at 72.45,44.05 h1 r90
  text "NRST" at 0.625,41.225 h1 r270
  text "SWO" at 0.625,38.725 h1 r270
  text "GND" at 72.45,38.55 h1 r90
  text "GND" at 0.625,36.125 h1 r270
  text "12V" at 72.425,34.65 h1 r90
  text "24V" at 0.625,29.45 h1 r270
  text "GND" at 0.6,27.1 h1 r270
  text "12V" at 72.4,14.65 h1 r90
  text "GND" at 72.475,11.35 h1 r90
  text ".designation" at 10.5,1.9 h6
Board:
  lines w0.1: 0,60 0,4 ; 0,71 cw(c4,71) 4,75 71,75 ; 0,71.006 0,62.75 ; 75,60 75,4 ; 0,4 ccw(c4,4) 4,0 ; 0,4 0,0 4,0 ; 0,11.5 0,7.5 0,11.5 ; 0,11.5 0,62.75 ; 0,11.5 0,62.75 ; 4,0 4,0 ; 4,0 71,0 ; 71,0 ccw(c71,4) 75,4 ; 71,0 71,4 75,4 ; 71,75 cw(c71,71) 75,71 ; 71,75 cw(c71,71) 75,71 ; 71,75 71,71 75,71 ; 71,75 71,75 ; 71,75 71,75 ; 75,4 75,71
Assembly Notes (Mech5):
  text "'.title'" at 0.95,-2.35 h2
  text "'.project'_'.pcb_dec_number'['.Pcb_File_Name_No_Path']" at 0.95,-5.55 h2